# Altium PCB FMC_ADC_100M_10B_16CHA_TDC.PcbDoc (part 2 of 12)
Units mil, origin at the board's own origin, x right, y up, seen from the top; angles counter-clockwise.
Board outline 3037.39 x 2716.54 mil, 6 copper layers (TOP, G1, L2, L3, P3, BOTTOM), stack 50.475 mil thick; 720 components, 633 nets, 2798 pads, 1593 vias.
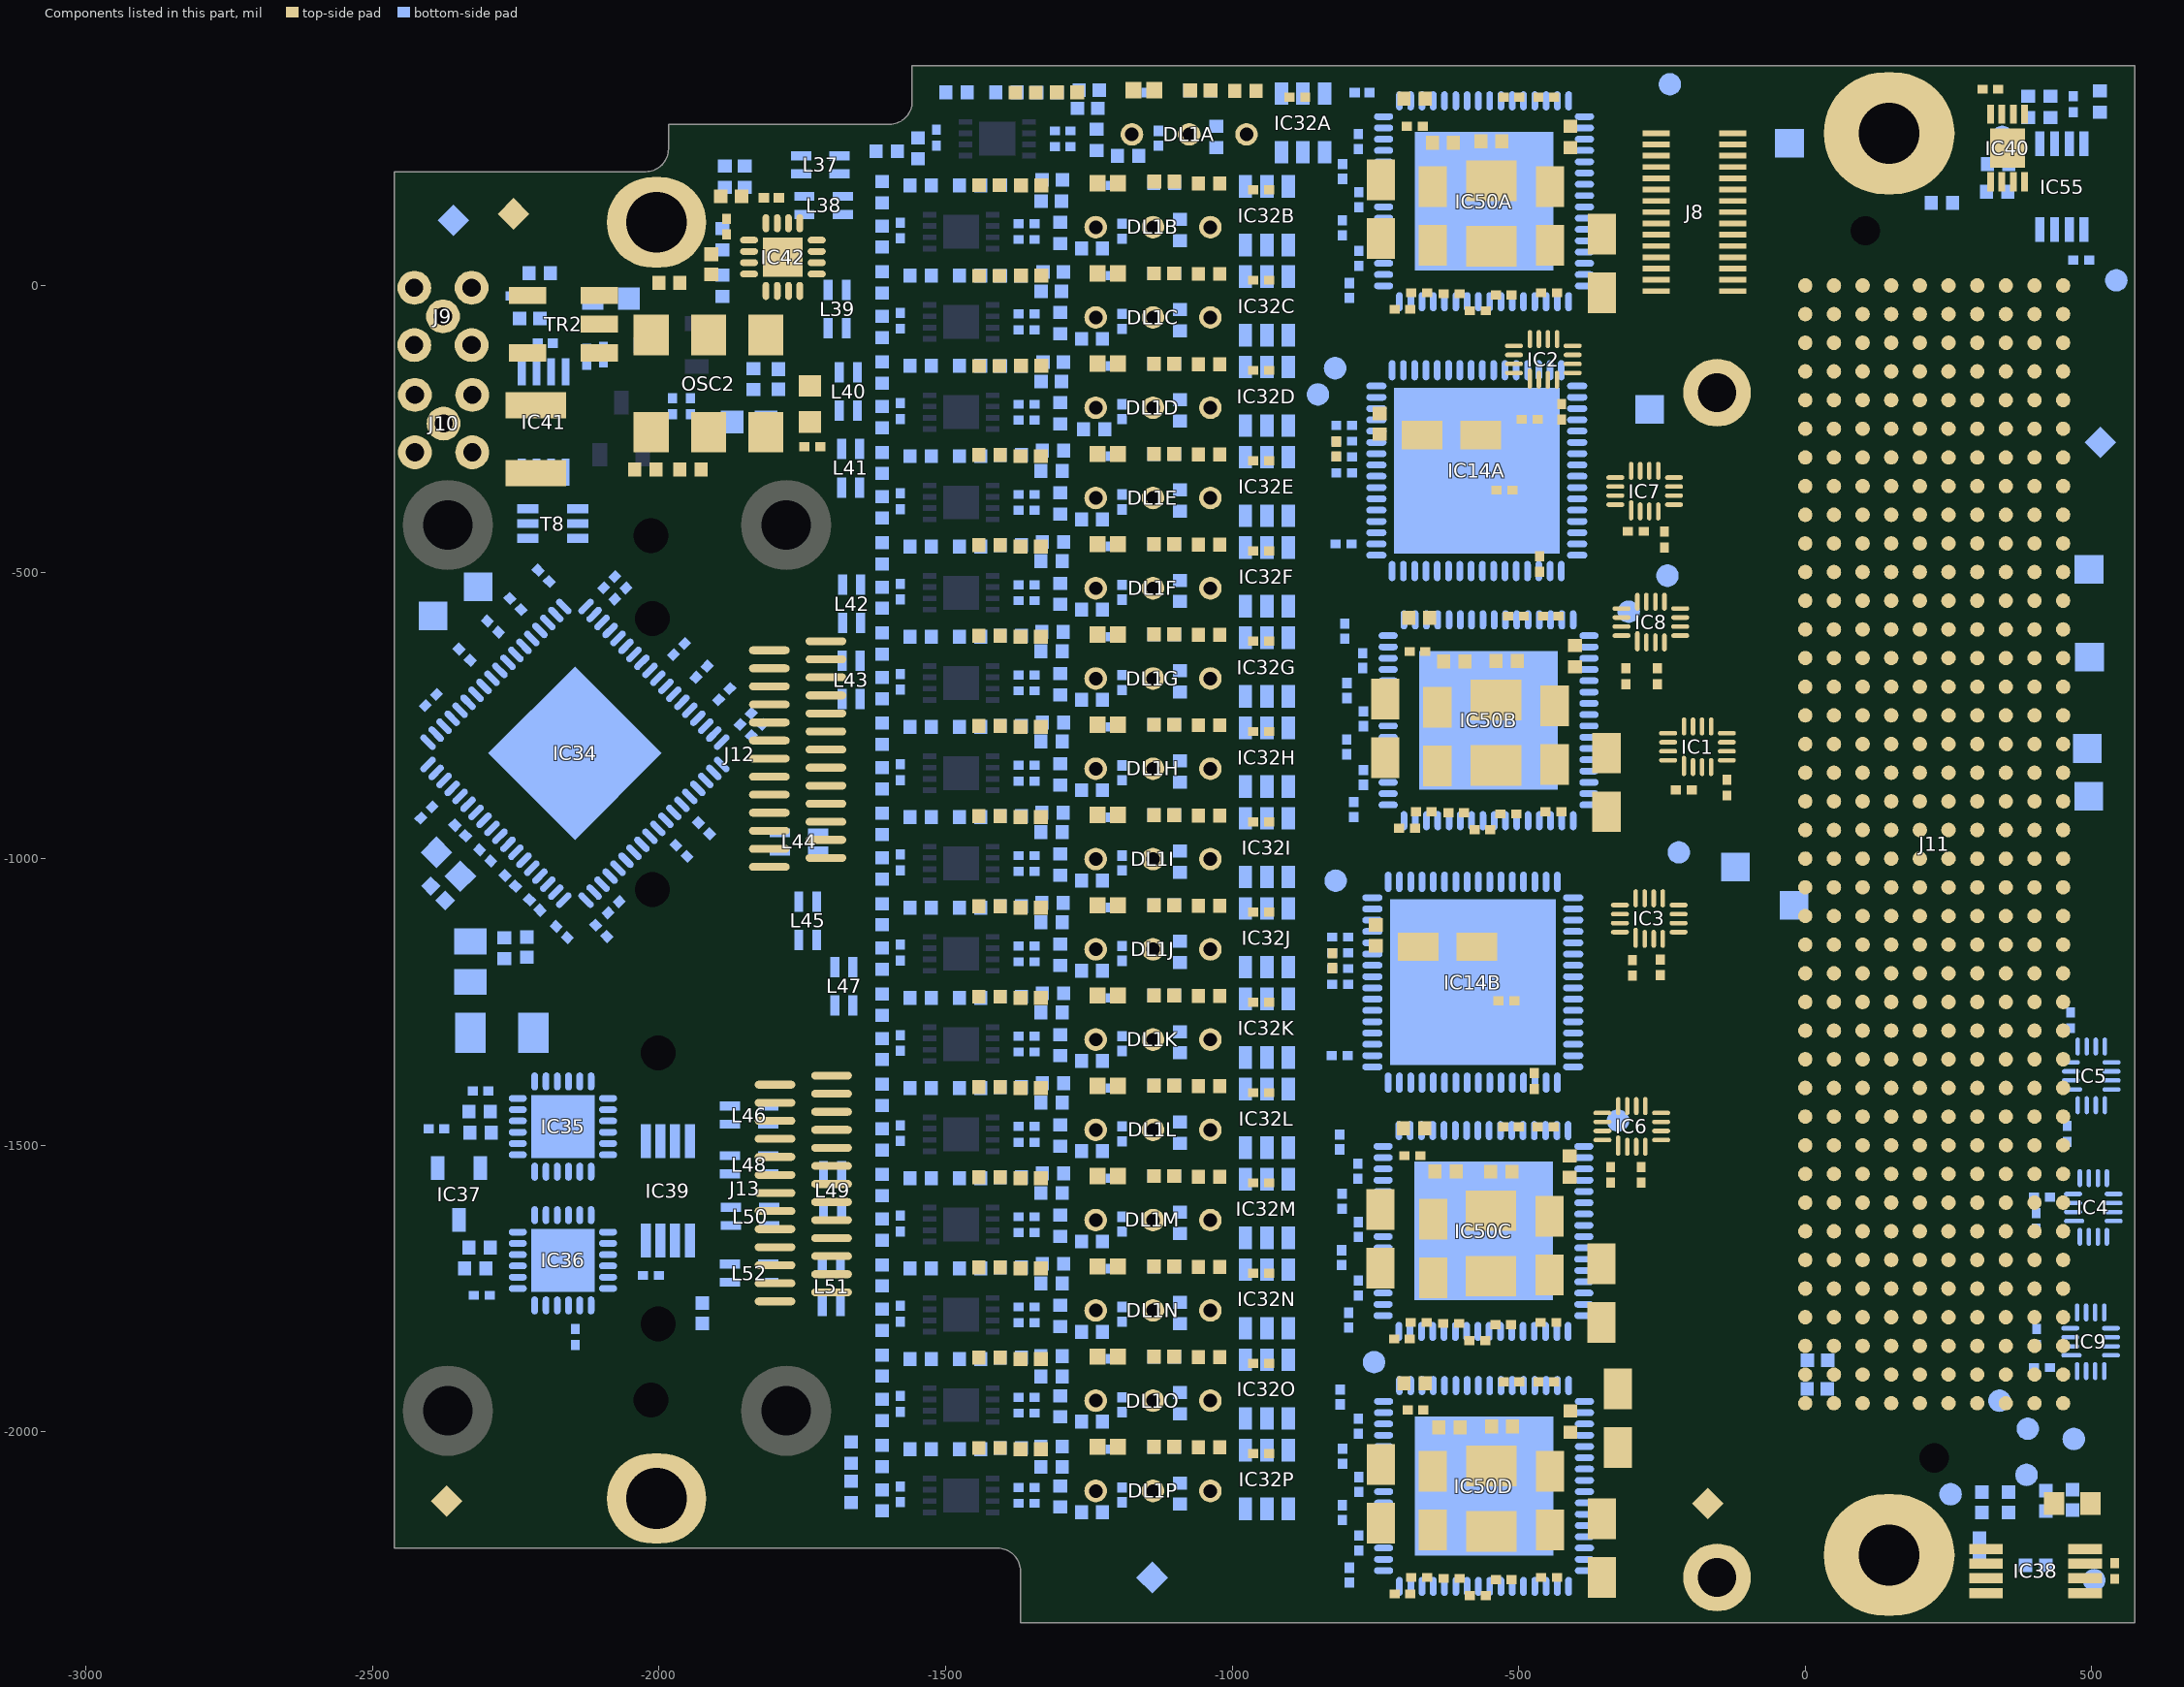
[diagram p6: the components of this part, seen from the top]

## Components (designator, comment, footprint, x,y, rotation, side; value= is the part's Value field where it differs from the comment) (continued)
IC32B "LMH7220MK/NOPB" SOT95P285X100-6N -939.49,121.7 r90 bottom (schematic designator IC32)
IC32C "LMH7220MK/NOPB" SOT95P285X100-6N -939.49,-35.78 r90 bottom (schematic designator IC32)
IC32D "LMH7220MK/NOPB" SOT95P285X100-6N -939.49,-193.26 r90 bottom (schematic designator IC32)
IC32E "LMH7220MK/NOPB" SOT95P285X100-6N -939.49,-350.74 r90 bottom (schematic designator IC32)
IC32F "LMH7220MK/NOPB" SOT95P285X100-6N -939.49,-508.22 r90 bottom (schematic designator IC32)
IC32G "LMH7220MK/NOPB" SOT95P285X100-6N -939.49,-665.7 r90 bottom (schematic designator IC32)
IC32H "LMH7220MK/NOPB" SOT95P285X100-6N -939.49,-823.18 r90 bottom (schematic designator IC32)
IC32I "LMH7220MK/NOPB" SOT95P285X100-6N -939.49,-980.66 r90 bottom (schematic designator IC32)
IC32J "LMH7220MK/NOPB" SOT95P285X100-6N -939.49,-1138.14 r90 bottom (schematic designator IC32)
IC32K "LMH7220MK/NOPB" SOT95P285X100-6N -939.49,-1295.62 r90 bottom (schematic designator IC32)
IC32L "LMH7220MK/NOPB" SOT95P285X100-6N -939.49,-1453.1 r90 bottom (schematic designator IC32)
IC32M "LMH7220MK/NOPB" SOT95P285X100-6N -939.49,-1610.58 r90 bottom (schematic designator IC32)
IC32N "LMH7220MK/NOPB" SOT95P285X100-6N -939.49,-1768.06 r90 bottom (schematic designator IC32)
IC32O "LMH7220MK/NOPB" SOT95P285X100-6N -939.49,-1925.54 r90 bottom (schematic designator IC32)
IC32P "LMH7220MK/NOPB" SOT95P285X100-6N -939.49,-2083.02 r90 bottom (schematic designator IC32)
IC34 "AD9528BCPZ" QFN50P1000X1000X100-73N-S545 -2146.81,-816.21 r45 bottom locked
IC35 "DAC7578SRGE" QFN50P400X400X100-25N-S280 -2167.79,-1467.4 r90 bottom
IC36 "DAC7578SRGE" QFN50P400X400X100-25N-S280 -2167.79,-1700.67 r90 bottom
IC37 "REF3025AIDBZT" SOT95P237X112-3N -2348.94,-1585.25 r270 bottom
IC38 "LM75AIMM/NOPB" SOP65P490X109-8N 402.04,-2242.73 r0 top
IC39 "LM75AIMM/NOPB" SOP65P490X109-8N -1984.77,-1579.34 r270 bottom
IC40 "24AA64T-I/MC" SON50P300X200X100-9N-S175X155 352.99,239.86 r90 top
IC41 "SN65LVDM176DGK" "MSOP8 TI/AD" -2201.18,-238.24 r180 bottom
IC42 "Si53340-B-GM" QFN50P300X300X90-17N-S175 -1783.96,49.53 r270 top
IC50A "TDC-GPX2" QFN50P900X900X100-65N-S615 -560.5,146.92 r180 bottom (schematic designator IC50)
IC50B "TDC-GPX2" QFN50P900X900X100-65N-S615 -552.63,-758.6 r180 bottom (schematic designator IC50)
IC50C "TDC-GPX2" QFN50P900X900X100-65N-S615 -561.42,-1649.54 r180 bottom (schematic designator IC50)
IC50D "TDC-GPX2" QFN50P900X900X100-65N-S615 -560.51,-2094.42 r180 bottom locked (schematic designator IC50)
IC55 "PCA9306DCTR" SOP65P400X130-8N 447.87,172.31 r90 bottom
J8 "SlimStack™" MOLEX_53748-0308 -193.31,127.9 r270 top locked
J9 "Coax_1Female_1Shield" "HUBER-SUHNER_85_MMCX-50-0-1/111 OH" -2377,-54 r180 top locked
J10 "Coax_1Female_1Shield" "HUBER-SUHNER_85_MMCX-50-0-1/111 OH" -2376,-241 r180 top locked
J11 "VITA 57" SAMTEC_ASP-134488-01 225,-975 r270 top locked
J12 "Mini-SAS" TYCO_1761987-7 -2011.54,-1053.75 r0 top locked
J13 "Mini-SAS" TYCO_1761987-7 -2001.7,-1811.63 r0 top locked
L7A "600R@100MHz" INDC1005X55N -742.52,-241.19 r270 top (schematic designator L7)
L7B "600R@100MHz" INDC1005X55N -749.41,-1133.75 r270 top (schematic designator L7)
L8 "120R@100MHz" INDC1608X65N -1842.91,-238.24 r0 bottom
L14 "600R@100MHz" INDC1005X55N -1874.41,155.46 r180 top
L37 "90R@100MHz" IND_MURATA_DLW21S -1718.9,210.58 r0 bottom
L38 "90R@100MHz" IND_MURATA_DLW21S -1712.99,139.71 r0 bottom
L39 "90R@100MHz" IND_MURATA_DLW21S -1689.19,-41.39 r90 bottom
L40 "90R@100MHz" IND_MURATA_DLW21S -1669.69,-185.09 r90 bottom
L41 "90R@100MHz" IND_MURATA_DLW21S -1665.75,-318.95 r90 bottom
L42 "90R@100MHz" IND_MURATA_DLW21S -1664.02,-555.51 r90 bottom
L43 "90R@100MHz" IND_MURATA_DLW21S -1664.89,-688.33 r90 bottom
L44 "90R@100MHz" IND_MURATA_DLW21S -1755.63,-970.71 r0 bottom
L45 "90R@100MHz" IND_MURATA_DLW21S -1740.55,-1108.32 r90 bottom
L46 "90R@100MHz" IND_MURATA_DLW21S -1843.03,-1447.45 r0 bottom
L47 "90R@100MHz" IND_MURATA_DLW21S -1677.56,-1222.49 r90 bottom
L48 "90R@100MHz" IND_MURATA_DLW21S -1843.03,-1534.07 r0 bottom
L49 "90R@100MHz" IND_MURATA_DLW21S -1697.25,-1578.79 r90 bottom
L50 "90R@100MHz" IND_MURATA_DLW21S -1840.95,-1624.07 r0 bottom
L51 "90R@100MHz" IND_MURATA_DLW21S -1699.33,-1746.67 r270 bottom
L52 "90R@100MHz" IND_MURATA_DLW21S -1843.03,-1723.04 r0 bottom
OSC2 "100MHz" OSCSC254P500X700X190-6N -1913.78,-171.31 r270 top
R1 "1M" RESC1005X40N#1 -2208.19,21.25 r0 bottom
R2 "0" RESC1005X40N#1 -1850.84,189.9 r270 bottom
R3 "0" RESC1005X40N#1 -1885.38,189.9 r270 bottom
R47A "100" RESC0603X28N -818.31,-285.49 r270 top (schematic designator R47)
R47B "100" RESC0603X28N -825.2,-1178.05 r270 top (schematic designator R47)
R48A "20" RESC1005X40N#2 -1249.25,340.5 r0 bottom (schematic designator R48)
R48B "20" RESC1005X40N#2 -1313.68,184.58 r0 bottom (schematic designator R48)
R48C "20" RESC1005X40N#2 -1312.36,23.81 r0 bottom (schematic designator R48)
R48D "20" RESC1005X40N#2 -1312.36,-133.97 r0 bottom (schematic designator R48)
R48E "20" RESC1005X40N#1 -1312.36,-288.28 r0 bottom (schematic designator R48)
R48F "20" RESC1005X40N#1 -1312.36,-447.45 r0 bottom (schematic designator R48)
R48G "20" RESC1005X40N#1 -1313.68,-604.6 r0 bottom (schematic designator R48)
R48H "20" RESC1005X40N#1 -1312.36,-762.41 r0 bottom (schematic designator R48)
R48I "20" RESC1005X40N#1 -1313.68,-920.11 r0 bottom (schematic designator R48)
R48J "20" RESC1005X40N#1 -1313.68,-1076.83 r0 bottom (schematic designator R48)
R48K "20" RESC1005X40N#1 -1312.36,-1234.86 r0 bottom (schematic designator R48)
R48L "20" RESC1005X40N#1 -1312.36,-1392.1 r0 bottom (schematic designator R48)
R48M "20" RESC1005X40N#1 -1312.36,-1549.09 r0 bottom (schematic designator R48)
R48N "20" RESC1005X40N#1 -1312.36,-1706.75 r0 bottom (schematic designator R48)
R48O "20" RESC1005X40N#1 -1315.36,-1868.16 r0 bottom (schematic designator R48)
R48P "20" RESC1005X40N#1 -1315.36,-2025.64 r0 bottom (schematic designator R48)
R57A "47" RESC1005X40N#2 -1252.36,309 r180 bottom (schematic designator R57)
R57B "47" RESC1005X40N#2 -1315.48,147.03 r180 bottom (schematic designator R57)
R57C "47" RESC1005X40N#2 -1315.48,-10.45 r180 bottom (schematic designator R57)
R57D "47" RESC1005X40N#2 -1315.48,-167.93 r180 bottom (schematic designator R57)
R57E "47" RESC1005X40N#1 -1315.08,-323.44 r180 bottom (schematic designator R57)
R57F "47" RESC1005X40N#1 -1315.08,-480.92 r180 bottom (schematic designator R57)
R57G "47" RESC1005X40N#1 -1315.08,-638.4 r180 bottom (schematic designator R57)
R57H "47" RESC1005X40N#1 -1315.08,-795.88 r180 bottom (schematic designator R57)
R57I "47" RESC1005X40N#1 -1315.08,-953.36 r180 bottom (schematic designator R57)
R57J "47" RESC1005X40N#1 -1315.08,-1110.84 r180 bottom (schematic designator R57)
R57K "47" RESC1005X40N#1 -1315.08,-1268.32 r180 bottom (schematic designator R57)
R57L "47" RESC1005X40N#1 -1315.08,-1425.8 r180 bottom (schematic designator R57)
R57M "47" RESC1005X40N#1 -1315.08,-1583.28 r180 bottom (schematic designator R57)
R57N "47" RESC1005X40N#1 -1315.08,-1740.76 r180 bottom (schematic designator R57)
R57O "47" RESC1005X40N#1 -1315.36,-1903.6 r180 bottom (schematic designator R57)
R57P "47" RESC1005X40N#1 -1315.36,-2061.08 r180 bottom (schematic designator R57)
R58A "100" RESC0603X28N -1161.81,336.56 r180 bottom (schematic designator R58)
R58B "100" RESC0603X28N -1224.92,174.59 r180 bottom (schematic designator R58)
R58C "100" RESC0603X28N -1224.92,17.11 r180 bottom (schematic designator R58)
R58D "100" RESC0603X28N -1224.92,-140.37 r180 bottom (schematic designator R58)
R58E "100" RESC0603X28N -1224.92,-297.85 r180 bottom (schematic designator R58)
R58F "100" RESC0603X28N -1224.92,-455.33 r180 bottom (schematic designator R58)
R58G "100" RESC0603X28N -1224.92,-612.81 r180 bottom (schematic designator R58)
R58H "100" RESC0603X28N -1224.92,-770.29 r180 bottom (schematic designator R58)
R58I "100" RESC0603X28N -1224.92,-927.77 r180 bottom (schematic designator R58)
R58J "100" RESC0603X28N -1224.92,-1085.25 r180 bottom (schematic designator R58)
R58K "100" RESC0603X28N -1224.92,-1242.73 r180 bottom (schematic designator R58)
R58L "100" RESC0603X28N -1224.92,-1400.21 r180 bottom (schematic designator R58)
R58M "100" RESC0603X28N -1224.92,-1557.69 r180 bottom (schematic designator R58)
R58N "100" RESC0603X28N -1224.92,-1715.17 r180 bottom (schematic designator R58)
R58O "100" RESC0603X28N -1224.92,-1872.65 r180 bottom (schematic designator R58)
R58P "100" RESC0603X28N -1224.92,-2030.13 r180 bottom (schematic designator R58)
R59A "47" RESC1005X40N#2 -1360.63,336.56 r0 top (schematic designator R59)
R59B "47" RESC1005X40N#2 -1423.74,174.59 r0 top (schematic designator R59)
R59C "47" RESC1005X40N#2 -1423.74,17.11 r0 top (schematic designator R59)
R59D "47" RESC1005X40N#2 -1423.74,-140.37 r0 top (schematic designator R59)
R59E "47" RESC1005X40N#1 -1423.35,-295.88 r0 top (schematic designator R59)
R59F "47" RESC1005X40N#1 -1423.35,-453.36 r0 top (schematic designator R59)
R59G "47" RESC1005X40N#1 -1423.35,-610.84 r0 top (schematic designator R59)
R59H "47" RESC1005X40N#1 -1423.35,-768.32 r0 top (schematic designator R59)
R59I "47" RESC1005X40N#1 -1423.35,-925.8 r0 top (schematic designator R59)
R59J "47" RESC1005X40N#1 -1423.35,-1083.28 r0 top (schematic designator R59)
R59K "47" RESC1005X40N#1 -1423.35,-1240.76 r0 top (schematic designator R59)
R59L "47" RESC1005X40N#1 -1423.35,-1398.24 r0 top (schematic designator R59)
R59M "47" RESC1005X40N#1 -1423.35,-1555.72 r0 top (schematic designator R59)
R59N "47" RESC1005X40N#1 -1423.35,-1713.2 r0 top (schematic designator R59)
R59O "47" RESC1005X40N#1 -1423.35,-1870.68 r0 top (schematic designator R59)
R59P "47" RESC1005X40N#1 -1423.35,-2028.16 r0 top (schematic designator R59)
R60A "20" RESC1005X40N#2 -1323.23,336.56 r0 bottom (schematic designator R60)
R60B "20" RESC1005X40N#2 -1386.34,174.59 r0 bottom (schematic designator R60)
R60C "20" RESC1005X40N#2 -1386.34,17.11 r0 bottom (schematic designator R60)
R60D "20" RESC1005X40N#2 -1386.34,-140.37 r0 bottom (schematic designator R60)
R60E "20" RESC1005X40N#1 -1385.95,-295.88 r0 bottom (schematic designator R60)
R60F "20" RESC1005X40N#1 -1385.95,-453.36 r0 bottom (schematic designator R60)
R60G "20" RESC1005X40N#1 -1385.95,-610.84 r0 bottom (schematic designator R60)
R60H "20" RESC1005X40N#1 -1385.95,-768.32 r0 bottom (schematic designator R60)
R60I "20" RESC1005X40N#1 -1385.95,-925.8 r0 bottom (schematic designator R60)
R60J "20" RESC1005X40N#1 -1385.95,-1083.28 r0 bottom (schematic designator R60)
R60K "20" RESC1005X40N#1 -1385.95,-1240.76 r0 bottom (schematic designator R60)
R60L "20" RESC1005X40N#1 -1385.95,-1398.24 r0 bottom (schematic designator R60)
R60M "20" RESC1005X40N#1 -1385.95,-1555.72 r0 bottom (schematic designator R60)
R60N "20" RESC1005X40N#1 -1385.95,-1713.2 r0 bottom (schematic designator R60)
R60O "20" RESC1005X40N#1 -1385.95,-1870.68 r0 bottom (schematic designator R60)
R60P "20" RESC1005X40N#1 -1385.95,-2028.16 r0 bottom (schematic designator R60)
R61A "270" RESC1005X40N#1 -1236.62,253.88 r270 bottom (schematic designator R61)
R61B "270" RESC1005X40N#1 -1299.73,91.92 r270 bottom (schematic designator R61)
R61C "270" RESC1005X40N#1 -1299.73,-65.56 r270 bottom (schematic designator R61)
R61D "270" RESC1005X40N#1 -1299.73,-223.04 r270 bottom (schematic designator R61)
R61E "270" RESC1005X40N#1 -1299.73,-380.52 r270 bottom (schematic designator R61)
R61F "270" RESC1005X40N#1 -1299.73,-538 r270 bottom (schematic designator R61)
R61G "270" RESC1005X40N#1 -1299.73,-695.49 r270 bottom (schematic designator R61)
R61H "270" RESC1005X40N#1 -1299.73,-852.97 r270 bottom (schematic designator R61)
R61I "270" RESC1005X40N#1 -1299.73,-1010.45 r270 bottom (schematic designator R61)
R61J "270" RESC1005X40N#1 -1299.73,-1167.93 r270 bottom (schematic designator R61)
R61K "270" RESC1005X40N#1 -1299.73,-1325.41 r270 bottom (schematic designator R61)
R61L "270" RESC1005X40N#1 -1299.73,-1482.89 r270 bottom (schematic designator R61)
R61M "270" RESC1005X40N#1 -1299.73,-1640.37 r270 bottom (schematic designator R61)
R61N "270" RESC1005X40N#1 -1299.73,-1797.85 r270 bottom (schematic designator R61)
R61O "270" RESC1005X40N#1 -1299.73,-1955.33 r270 bottom (schematic designator R61)
R61P "270" RESC1005X40N#1 -1299.73,-2112.81 r270 bottom (schematic designator R61)
R62A "4R7" RESC1005X40N#1 -1181.5,226.33 r0 bottom (schematic designator R62)
R62B "4R7" RESC1005X40N#1 -1244.61,64.36 r0 bottom (schematic designator R62)
R62C "4R7" RESC1005X40N#1 -1244.61,-93.12 r0 bottom (schematic designator R62)
R62D "4R7" RESC1005X40N#1 -1240.55,-250.6 r0 bottom (schematic designator R62)
R62E "4R7" RESC1005X40N#1 -1244.61,-408.08 r0 bottom (schematic designator R62)
R62F "4R7" RESC1005X40N#1 -1244.61,-565.56 r0 bottom (schematic designator R62)
R62G "4R7" RESC1005X40N#1 -1244.61,-723.04 r0 bottom (schematic designator R62)
R62H "4R7" RESC1005X40N#1 -1244.61,-880.52 r0 bottom (schematic designator R62)
R62I "4R7" RESC1005X40N#1 -1244.61,-1038 r0 bottom (schematic designator R62)
R62J "4R7" RESC1005X40N#1 -1244.61,-1195.49 r0 bottom (schematic designator R62)
R62K "4R7" RESC1005X40N#1 -1244.61,-1352.97 r0 bottom (schematic designator R62)
R62L "4R7" RESC1005X40N#1 -1244.61,-1510.45 r0 bottom (schematic designator R62)
R62M "4R7" RESC1005X40N#1 -1244.61,-1667.93 r0 bottom (schematic designator R62)
R62N "4R7" RESC1005X40N#1 -1244.61,-1825.41 r0 bottom (schematic designator R62)
R62O "4R7" RESC1005X40N#1 -1244.49,-1982.34 r0 bottom (schematic designator R62)
R62P "4R7" RESC1005X40N#1 -1244.61,-2140.37 r0 bottom (schematic designator R62)
R63A "120" RESC1005X40N#1 -1394.1,336.56 r0 bottom (schematic designator R63)
R63B "120" RESC1005X40N#1 -1457.21,174.59 r0 bottom (schematic designator R63)
R63C "120" RESC1005X40N#1 -1457.21,17.11 r0 bottom (schematic designator R63)
R63D "120" RESC1005X40N#1 -1457.21,-140.37 r0 bottom (schematic designator R63)
R63E "120" RESC1005X40N#1 -1457.21,-297.85 r0 bottom (schematic designator R63)
R63F "120" RESC1005X40N#1 -1457.21,-455.33 r0 bottom (schematic designator R63)
R63G "120" RESC1005X40N#1 -1457.21,-612.81 r0 bottom (schematic designator R63)
R63H "120" RESC1005X40N#1 -1457.21,-770.29 r0 bottom (schematic designator R63)
R63I "120" RESC1005X40N#1 -1457.21,-927.77 r0 bottom (schematic designator R63)
R63J "120" RESC1005X40N#1 -1457.21,-1085.25 r0 bottom (schematic designator R63)
R63K "120" RESC1005X40N#1 -1457.21,-1242.73 r0 bottom (schematic designator R63)
R63L "120" RESC1005X40N#1 -1457.21,-1400.21 r0 bottom (schematic designator R63)
R63M "120" RESC1005X40N#1 -1457.21,-1557.69 r0 bottom (schematic designator R63)
R63N "120" RESC1005X40N#1 -1457.21,-1715.17 r0 bottom (schematic designator R63)
R63O "120" RESC1005X40N#1 -1457.21,-1872.65 r0 bottom (schematic designator R63)
R63P "120" RESC1005X40N#1 -1457.21,-2030.13 r0 bottom (schematic designator R63)
R64A "120" RESC1005X40N#1 -1602.76,234.2 r0 bottom (schematic designator R64)
R64B "120" RESC1005X40N#1 -1610.75,162.78 r270 bottom (schematic designator R64)
R64C "120" RESC1005X40N#1 -1610.75,5.3 r270 bottom (schematic designator R64)
R64D "120" RESC1005X40N#1 -1610.75,-152.18 r270 bottom (schematic designator R64)
R64E "120" RESC1005X40N#1 -1610.75,-309.66 r270 bottom (schematic designator R64)
R64F "120" RESC1005X40N#1 -1610.75,-467.14 r270 bottom (schematic designator R64)
R64G "120" RESC1005X40N#1 -1610.75,-624.62 r270 bottom (schematic designator R64)
R64H "120" RESC1005X40N#1 -1610.75,-782.1 r270 bottom (schematic designator R64)
R64I "120" RESC1005X40N#1 -1610.75,-939.58 r270 bottom (schematic designator R64)
R64J "120" RESC1005X40N#1 -1610.75,-1097.06 r270 bottom (schematic designator R64)
R64K "120" RESC1005X40N#1 -1610.75,-1254.54 r270 bottom (schematic designator R64)
R64L "120" RESC1005X40N#1 -1610.75,-1412.02 r270 bottom (schematic designator R64)
R64M "120" RESC1005X40N#1 -1610.75,-1569.5 r270 bottom (schematic designator R64)
R64N "120" RESC1005X40N#1 -1610.75,-1726.98 r270 bottom (schematic designator R64)
R64O "120" RESC1005X40N#1 -1610.75,-1884.46 r270 bottom (schematic designator R64)
R64P "120" RESC1005X40N#1 -1610.75,-2041.94 r270 bottom (schematic designator R64)
R65A "160" RESC1005X40N#1 -1480.71,336.56 r180 bottom (schematic designator R65)
R65B "160" RESC1005X40N#1 -1543.82,174.59 r180 bottom (schematic designator R65)
R65C "160" RESC1005X40N#1 -1543.82,17.11 r180 bottom (schematic designator R65)
R65D "160" RESC1005X40N#1 -1543.82,-140.37 r180 bottom (schematic designator R65)
R65E "160" RESC1005X40N#1 -1543.82,-297.85 r180 bottom (schematic designator R65)
R65F "160" RESC1005X40N#1 -1543.82,-455.33 r180 bottom (schematic designator R65)
R65G "160" RESC1005X40N#1 -1543.82,-612.81 r180 bottom (schematic designator R65)
R65H "160" RESC1005X40N#1 -1543.82,-770.29 r180 bottom (schematic designator R65)
R65I "160" RESC1005X40N#1 -1543.82,-927.77 r180 bottom (schematic designator R65)
R65J "160" RESC1005X40N#1 -1543.82,-1085.25 r180 bottom (schematic designator R65)
R65K "160" RESC1005X40N#1 -1543.82,-1242.73 r180 bottom (schematic designator R65)
R65L "160" RESC1005X40N#1 -1543.82,-1400.21 r180 bottom (schematic designator R65)
R65M "160" RESC1005X40N#1 -1543.82,-1557.69 r180 bottom (schematic designator R65)
R65N "160" RESC1005X40N#1 -1543.82,-1715.17 r180 bottom (schematic designator R65)
R65O "160" RESC1005X40N#1 -1543.82,-1872.65 r180 bottom (schematic designator R65)
R65P "160" RESC1005X40N#1 -1543.82,-2030.13 r180 bottom (schematic designator R65)
R66A "100" RESC0603X28N -1128.93,256.64 r270 bottom (schematic designator R66)
R66B "100" RESC0603X28N -1192.04,94.67 r270 bottom (schematic designator R66)
R66C "100" RESC0603X28N -1192.04,-62.81 r270 bottom (schematic designator R66)
R66D "100" RESC0603X28N -1192.04,-220.29 r270 bottom (schematic designator R66)
R66E "100" RESC0603X28N -1192.04,-377.77 r270 bottom (schematic designator R66)
R66F "100" RESC0603X28N -1192.04,-535.25 r270 bottom (schematic designator R66)
R66G "100" RESC0603X28N -1192.04,-692.73 r270 bottom (schematic designator R66)
R66H "100" RESC0603X28N -1192.04,-850.21 r270 bottom (schematic designator R66)
R66I "100" RESC0603X28N -1192.04,-1007.69 r270 bottom (schematic designator R66)
R66J "100" RESC0603X28N -1192.04,-1165.17 r270 bottom (schematic designator R66)
R66K "100" RESC0603X28N -1192.04,-1322.65 r270 bottom (schematic designator R66)
R66L "100" RESC0603X28N -1192.04,-1480.13 r270 bottom (schematic designator R66)
R66M "100" RESC0603X28N -1192.04,-1637.61 r270 bottom (schematic designator R66)
R66N "100" RESC0603X28N -1192.04,-1795.09 r270 bottom (schematic designator R66)
R66O "100" RESC0603X28N -1192.04,-1952.57 r270 bottom (schematic designator R66)
R66P "100" RESC0603X28N -1192.04,-2110.05 r270 bottom (schematic designator R66)
R67A "51" RESC1005X40N#1 -976.93,339.64 r0 top (schematic designator R67)
R67B "51" RESC1005X40N#1 -1040.04,177.67 r0 top (schematic designator R67)
R67C "51" RESC1005X40N#1 -1040.04,20.19 r0 top (schematic designator R67)
R67D "51" RESC1005X40N#1 -1040.04,-137.29 r0 top (schematic designator R67)
R67E "51" RESC1005X40N#1 -1040.04,-294.77 r0 top (schematic designator R67)
R67F "51" RESC1005X40N#1 -1040.04,-452.25 r0 top (schematic designator R67)
R67G "51" RESC1005X40N#1 -1040.04,-609.73 r0 top (schematic designator R67)
R67H "51" RESC1005X40N#1 -1040.04,-767.21 r0 top (schematic designator R67)
R67I "51" RESC1005X40N#1 -1040.04,-924.69 r0 top (schematic designator R67)
R67J "51" RESC1005X40N#1 -1040.04,-1082.17 r0 top (schematic designator R67)
R67K "51" RESC1005X40N#1 -1040.04,-1239.65 r0 top (schematic designator R67)
R67L "51" RESC1005X40N#1 -1040.04,-1397.13 r0 top (schematic designator R67)
R67M "51" RESC1005X40N#1 -1040.04,-1554.61 r0 top (schematic designator R67)
R67N "51" RESC1005X40N#1 -1040.04,-1712.09 r0 top (schematic designator R67)
R67O "51" RESC1005X40N#1 -1040.04,-1869.57 r0 top (schematic designator R67)
R67P "51" RESC1005X40N#1 -1040.04,-2027.05 r0 top (schematic designator R67)
R68A "120" RESC1005X40N#1 -1055.51,340.5 r180 bottom (schematic designator R68)
R68B "120" RESC1005X40N#1 -1118.63,178.53 r180 bottom (schematic designator R68)
R68C "120" RESC1005X40N#1 -1118.63,21.05 r180 bottom (schematic designator R68)
R68D "120" RESC1005X40N#1 -1118.63,-136.43 r180 bottom (schematic designator R68)
R68E "120" RESC1005X40N#1 -1118.63,-293.91 r180 bottom (schematic designator R68)
R68F "120" RESC1005X40N#1 -1118.63,-451.39 r180 bottom (schematic designator R68)
R68G "120" RESC1005X40N#1 -1118.63,-608.87 r180 bottom (schematic designator R68)
R68H "120" RESC1005X40N#1 -1118.63,-766.35 r180 bottom (schematic designator R68)
R68I "120" RESC1005X40N#1 -1118.63,-923.83 r180 bottom (schematic designator R68)
R68J "120" RESC1005X40N#1 -1118.63,-1081.31 r180 bottom (schematic designator R68)
R68K "120" RESC1005X40N#1 -1118.63,-1238.79 r180 bottom (schematic designator R68)
R68L "120" RESC1005X40N#1 -1118.63,-1396.27 r180 bottom (schematic designator R68)
R68M "120" RESC1005X40N#1 -1118.63,-1553.75 r180 bottom (schematic designator R68)
R68N "120" RESC1005X40N#1 -1118.63,-1711.23 r180 bottom (schematic designator R68)
R68O "120" RESC1005X40N#1 -1118.63,-1868.71 r180 bottom (schematic designator R68)
R68P "120" RESC1005X40N#1 -1118.63,-2026.19 r180 bottom (schematic designator R68)
R69A "270" RESC1005X40N#1 -1548.17,239.29 r90 bottom (schematic designator R69)
R69B "270" RESC1005X40N#1 -1610.75,85.22 r90 bottom (schematic designator R69)
R69C "270" RESC1005X40N#1 -1610.75,-72.26 r90 bottom (schematic designator R69)
R69D "270" RESC1005X40N#1 -1610.75,-229.74 r90 bottom (schematic designator R69)
R69E "270" RESC1005X40N#1 -1610.75,-387.22 r90 bottom (schematic designator R69)
R69F "270" RESC1005X40N#1 -1610.75,-544.7 r90 bottom (schematic designator R69)
R69G "270" RESC1005X40N#1 -1610.75,-702.18 r90 bottom (schematic designator R69)
R69H "270" RESC1005X40N#1 -1610.75,-859.66 r90 bottom (schematic designator R69)
R69I "270" RESC1005X40N#1 -1610.75,-1017.14 r90 bottom (schematic designator R69)
R69J "270" RESC1005X40N#1 -1610.75,-1174.62 r90 bottom (schematic designator R69)
R69K "270" RESC1005X40N#1 -1610.75,-1332.1 r90 bottom (schematic designator R69)
R69L "270" RESC1005X40N#1 -1610.75,-1489.58 r90 bottom (schematic designator R69)
R69M "270" RESC1005X40N#1 -1610.75,-1647.06 r90 bottom (schematic designator R69)
R69N "270" RESC1005X40N#1 -1610.75,-1804.54 r90 bottom (schematic designator R69)
R69O "270" RESC1005X40N#1 -1610.75,-1962.02 r90 bottom (schematic designator R69)
R69P "270" RESC1005X40N#1 -1610.75,-2119.5 r90 bottom (schematic designator R69)
R70A "4R7" RESC1005X40N#1 -1027.95,259 r90 bottom (schematic designator R70)
R70B "4R7" RESC1005X40N#1 -1091.07,97.03 r90 bottom (schematic designator R70)
R70C "4R7" RESC1005X40N#1 -1091.07,-60.45 r90 bottom (schematic designator R70)
R70D "4R7" RESC1005X40N#1 -1091.07,-217.93 r90 bottom (schematic designator R70)
R70E "4R7" RESC1005X40N#1 -1091.07,-375.41 r90 bottom (schematic designator R70)
R70F "4R7" RESC1005X40N#1 -1091.07,-532.89 r90 bottom (schematic designator R70)
R70G "4R7" RESC1005X40N#1 -1091.07,-690.37 r90 bottom (schematic designator R70)
R70H "4R7" RESC1005X40N#1 -1091.07,-847.85 r90 bottom (schematic designator R70)
R70I "4R7" RESC1005X40N#1 -1091.07,-1005.33 r90 bottom (schematic designator R70)
R70J "4R7" RESC1005X40N#1 -1091.07,-1162.81 r90 bottom (schematic designator R70)
R70K "4R7" RESC1005X40N#1 -1091.07,-1320.29 r90 bottom (schematic designator R70)
R70L "4R7" RESC1005X40N#1 -1091.07,-1477.77 r90 bottom (schematic designator R70)
R70M "4R7" RESC1005X40N#1 -1091.07,-1635.25 r90 bottom (schematic designator R70)
R70N "4R7" RESC1005X40N#1 -1091.07,-1792.73 r90 bottom (schematic designator R70)
R70O "4R7" RESC1005X40N#1 -1091.07,-1950.21 r90 bottom (schematic designator R70)
R70P "4R7" RESC1005X40N#1 -1091.07,-2107.69 r90 bottom (schematic designator R70)
R71 "240" RESC1005X40N#1 -1945.28,-320.92 r0 top
R72 "1k" RESC1005X40N#1 -1835.04,-163.44 r90 bottom
R73 "100" RESC0603X28N -2346.85,-950.84 r135 bottom
R74 "240" RESC1005X40N#1 -2024.02,-320.92 r180 top
R75 "0" RESC1005X40N#2 -2225.91,-57.69 r180 bottom
R76 "100" RESC0603X28N -2216.93,-1080.76 r135 bottom
R77 "100" RESC0603X28N -2259.7,-1038.66 r135 bottom
R78 "10k" RESC1005X40N#2 -2230.83,-1154.15 r90 bottom
R79 "240" RESC1005X40N#1 -1982.03,4.39 r180 top
R80 "82k" RESC1005X40N#1 -2270.2,-1156.12 r90 bottom
R81 "0" RESC1005X40N#1 -2313.29,-1441.22 r0 bottom
R84 "0" RESC1005X40N#1 -2311.54,-1477.85 r0 bottom
R85 "0" RESC1005X40N#1 -2313.29,-1678.09 r0 bottom
R86 "0" RESC1005X40N#1 -2320.66,-1715.17 r0 bottom
R105 "10k" RESC1005X40N#2 402.04,-2232.89 r0 bottom
R111 "10k" RESC1005X40N#2 -1924.52,-1793.29 r90 bottom
R112 "10k" RESC1005X40N#2 303.62,-2203.36 r90 bottom
R113 "0" RESC1005X40N#2 419.76,-2120.68 r90 bottom
R114 "0" RESC1005X40N#2 354.93,-2122.65 r90 bottom
R115 "10k" RESC1005X40N#2 466.02,-2118.71 r270 bottom
R116 "10k" RESC1005X40N#2 308.54,-2122.65 r270 bottom
R117 "4R7" RESC1005X40N#1 -1664.89,-2104.93 r90 bottom
R118 "Undefined" RESC1005X40N#1 -1664.89,-2036.04 r270 bottom
R119 "4k7" RESC1608X55N 465.75,-2125 r180 top
R120 "0" RESC1005X40N#2 21,-1925 r0 bottom
R121 "0" RESC1005X40N#2 21.79,-1875 r0 bottom
R122 "100" RESC0603X28N -2198.53,-100.81 r180 bottom
R123 "49R9" RESC3225X70N -2215.06,-268.14 r90 top
R124 "100" RESC0603X28N -1804,153 r180 top
R138 "10k" RESC1005X40N#1 238.25,143.97 r180 bottom
R139A "100" RESC0603X28N -807.89,100.54 r90 bottom (schematic designator R139)
R139B "100" RESC0603X28N -800.01,-804.97 r90 bottom (schematic designator R139)
R139C "100" RESC0603X28N -808.8,-1695.92 r90 bottom (schematic designator R139)
R139D "100" RESC0603X28N -807.89,-2140.8 r90 bottom (schematic designator R139)
R140A "100" RESC0603X28N -773.23,336.56 r0 bottom (schematic designator R140)
R140B "100" RESC0603X28N -803.54,-603.2 r90 bottom (schematic designator R140)
R140C "100" RESC0603X28N -812.33,-1494.15 r90 bottom (schematic designator R140)
R140D "100" RESC0603X28N -811.42,-1939.03 r90 bottom (schematic designator R140)
R141A "100" RESC0603X28N -779.92,251.13 r90 bottom (schematic designator R141)
R141B "100" RESC0603X28N -772.05,-654.38 r90 bottom (schematic designator R141)
R141C "100" RESC0603X28N -780.84,-1545.33 r90 bottom (schematic designator R141)
R141D "100" RESC0603X28N -779.92,-1990.21 r90 bottom (schematic designator R141)
R142A "100" RESC0603X28N -779.01,47.31 r90 bottom (schematic designator R142)
R142B "100" RESC0603X28N -771.13,-858.2 r90 bottom (schematic designator R142)
R142C "100" RESC0603X28N -779.92,-1749.15 r90 bottom (schematic designator R142)
R142D "100" RESC0603X28N -779.01,-2194.03 r90 bottom (schematic designator R142)
R143A "100" RESC0603X28N -795.67,-8.71 r90 bottom (schematic designator R143)
R143B "100" RESC0603X28N -787.79,-914.23 r90 bottom (schematic designator R143)
R143C "100" RESC0603X28N -796.58,-1805.17 r90 bottom (schematic designator R143)
R143D "100" RESC0603X28N -795.67,-2250.05 r90 bottom (schematic designator R143)
R144A "100" RESC0603X28N -807.48,198.77 r90 bottom (schematic designator R144)
R144B "100" RESC0603X28N -799.6,-706.75 r90 bottom (schematic designator R144)
R144C "100" RESC0603X28N -808.39,-1597.69 r90 bottom (schematic designator R144)
R144D "100" RESC0603X28N -807.48,-2042.57 r90 bottom (schematic designator R144)
R145A "100" RESC0603X28N -778.89,149.54 r90 bottom (schematic designator R145)
R145B "100" RESC0603X28N -771.01,-755.97 r90 bottom (schematic designator R145)
R145C "100" RESC0603X28N -779.8,-1646.92 r90 bottom (schematic designator R145)
R145D "100" RESC0603X28N -778.89,-2091.8 r90 bottom (schematic designator R145)
R146A "10" RESC1005X40N#1 -681.49,325.93 r180 top (schematic designator R146)
R146B "10" RESC1005X40N#1 -673.62,-579.58 r180 top (schematic designator R146)
R146C "10" RESC1005X40N#1 -682.41,-1470.53 r180 top (schematic designator R146)
R146D "10" RESC1005X40N#1 -681.5,-1915.41 r180 top (schematic designator R146)
R147A "10" RESC1005X40N#1 -409.84,259 r270 top (schematic designator R147)
R147B "10" RESC1005X40N#1 -401.97,-646.51 r270 top (schematic designator R147)
R147C "10" RESC1005X40N#1 -410.76,-1537.45 r270 top (schematic designator R147)
R147D "10" RESC1005X40N#1 -409.84,-1982.34 r270 top (schematic designator R147)
R148A "10" RESC1005X40N#1 -632.29,248.92 r180 top (schematic designator R148)
R148B "10" RESC1005X40N#1 -612.62,-655.96 r180 top (schematic designator R148)
R148C "10" RESC1005X40N#1 -627.29,-1545.33 r180 top (schematic designator R148)
R148D "10" RESC1005X40N#1 -620.6,-1992.24 r180 top (schematic designator R148)
R149A "10" RESC1005X40N#1 -547.64,251.13 r0 top (schematic designator R149)
R149B "10" RESC1005X40N#1 -521.26,-655.17 r0 top (schematic designator R149)
R149C "10" RESC1005X40N#1 -530.05,-1546.12 r0 top (schematic designator R149)
R149D "10" RESC1005X40N#1 -529.14,-1990.21 r0 top (schematic designator R149)
R150 "1k" RESC1005X40N#1 -1889.42,80.88 r90 bottom
R151 "1k" RESC1005X40N#1 -1889.42,-0.35 r90 bottom
R158 "2k2" RESC1005X40N#1 336.43,211.46 r180 bottom
R159 "2k2" RESC1005X40N#1 334.74,163.53 r180 bottom
R160 "100k" RESC1005X40N#1 514,320.81 r90 bottom
R161 "2k2" RESC1005X40N#1 428.19,311.29 r90 bottom
R162 "2k2" RESC1005X40N#1 388.82,311.29 r90 bottom
SCREW1 "M1.6x8" BOSSARD_BN650-1243721_v -153.94,-2253.99 r90 bottom
SCREW2 "M1.6x8" BOSSARD_BN650-1243721_v -153.94,-187.06 r90 bottom
T8 "PMGD280UN" SOT65P210X110-6N -2185.43,-415.41 r0 bottom
TP23 "Test Point" TPS127 -2394.1,-576.82 r90 bottom
TP24 "Test Point" TPS127 -2315.36,-525.64 r90 bottom
TP35 "Test Point" TPS127 494.5,-891.03 r90 bottom
TP36 "Test Point" TPS127 491.79,-807.81 r90 bottom
TP37 "Test Point" TPS127 -19.68,-1081.62 r90 bottom
TP38 "Test Point" TPS127 -121.66,-1014.65 r90 bottom
TP39 "Test Point" TPS127 495.93,-648.56 r90 bottom
TP40 "Test Point" TPS127 495.12,-495.11 r90 bottom
TP43 "Test Point" TPS127 -27.59,248.27 r180 bottom
TP44 "Test Point" TPS127 -271.3,-215.89 r180 bottom
TR2 "1:1" XFMR_MINI-CIRCUITS_AT224-1 -2166.85,-67.53 r270 top

## Footprints (in the part's own frame and the unit in brackets; to place one, negate y for a bottom-side part, rotate by r counter-clockwise, add the part's x,y. Pads: shape width x height; smd on the part's side, far side on the other; paste and mask are expansions set on the pad)
BOSSARD_BN650-1243721_v [mil] "M1.6 L=8mm Slotted Cheese Head Machine Screw, DIN 84 A, Stainless Steel A2"
  silkscreen extent -75,-75 75,75, body extent -59,-59 59,59, height 39
C100 [mm] "1mm Diameter SMD Pad"
  round 1 smd paste-1: 1(0,0)
c300h160 [mm] "Plated Through Hole: Hole Dia.=1.6mm Pad Dia.=3mm"
  round 3 / inner round 2 / far side round 3 hole 1.7: 1(0,0)
  silkscreen extent -1.8,-1.8 1.8,1.8
CAPC0603X33N [mm] "Chip Capacitor, Body 0.6x0.30mm, IPC Medium Density"
  rect 0.45x0.4 smd: 1(-0.35,0) 2(0.35,0)
  body extent -0.31,-0.16 0.32,0.17, height 0.33
CAPC1005X55N [mm] "Chip Capacitor, Body 1.0x0.55mm, IPC Medium Density"
  rect 0.62x0.62 smd: 1(-0.45,0) 2(0.45,0)
  body extent -0.52,-0.27 0.53,0.28, height 0.55
CAPC1005X70N [mm] "Capacitor, Non-Polarized, Chip; 1.00mm L X 0.50mm W X 0.70mm H, IPC Medium Density"
  rect 0.71x0.72 smd: 1(-0.46,0) 2(0.46,0)
  body extent -0.6,-0.35 0.6,0.35, height 0.7
CAPC1608X80N [mm] "Chip Capacitor, Body 1.6x0.8mm IPC Medium Density"
  rect 1x1 smd: 1(-0.75,0) 2(0.75,0)
  body extent -0.87,-0.47 0.88,0.48, height 0.8
CAPC1608X87N [mm] "Chip Capacitor, Body 1.6x0.8mm IPC Medium Density"
  rect 0.95x1 smd: 1(-0.8,0) 2(0.8,0)
  body extent -0.87,-0.47 0.88,0.48, height 0.87
CAPC2012X88N [mm] "Chip Capacitor, Body 2.0x1.25mm, IPC Medium Density"
  rect 1.15x1.45 smd: 1(-0.9,0) 2(0.9,0)
  silkscreen extent 0,-0.58 0,0.58, body extent -1.05,-0.67 1.05,0.68, height 0.9
CAPC3216X130N [mm] "Chip Capacitor, Body 3.2x1.6mm, IPC Medium Density"
  rect 1.35x1.8 smd: 1(-1.4,0) 2(1.4,0)
  silkscreen extent -0.35,-0.8 0.35,0.8, body extent -1.7,-0.9 1.7,0.9, height 1.3
CAPMP3216X180N [mm] "Capacitor, Polarized, Molded  Body 3.2x1.6mm, IPC Medium Density"
  rect 1.8x1.25 smd: 1(-1.3,0) 2(1.3,0)
  silkscreen extent -2.4,-0.7 0,1.25, body extent -1.7,-0.9 1.7,0.9, height 1.6
CAPMP3528X210N [mm] "Capacitor, Polarized, Molded  Body 3.5x2.8mm, IPC Medium Density"
  rect 1.8x2.25 smd: 1(-1.45,0) 2(1.45,0)
  silkscreen extent -2.52,-1.5 1.85,1.72, body extent -1.85,-1.5 1.85,1.5, height 2.1
DS1L [mm] "Fixed SIP Delay Line DS1L Series"
  round 1 hole 0.6: 1(-2.54,0) 2(0,0) 3(2.54,0)
  silkscreen extent -6.35,-2.05 6.2,1.27, body extent -6.2,-1.27 6.35,1.27, height 9.2
FIDUCIAL_TOP_S100-200 [mm] "Square Fiducial Target, Top Layer, 1.0mm, Top Solder 2.0mm, Keepout =2.0mm"
  rect 1x1 smd rot 45 paste-0.51 mask+0.5: 1(0,0)
  TOP pour cut-out: 1.414,0 0,-1.414 -1.414,0 0,1.414
"HUBER-SUHNER_85_MMCX-50-0-1/111 OH" [mm] "MMCX 50 Ohm Right Angle PCB Jack"
  round 1.5 hole 0.8: 1(0,0) 2(-1.27,1.27) 2(-1.27,-1.27) 2(1.27,1.27) 2(1.27,-1.27)
  silkscreen extent -1.73,-1.74 4.82,1.74, body extent -1.73,-1.74 4.82,1.74, height 3.8
IND_MURATA_DLW21S [mm] "Common Mode Choke Coil, DLW21S Series - Body 2 x 1.2mm"
  rect 0.9x0.4 smd: 1(-0.85,-0.4) 2(0.85,-0.4) 3(0.85,0.4) 4(-0.85,0.4)
  silkscreen extent -1.92,-0.6 0,0.6, body extent -1,-0.6 1,0.6, height 1.4
INDC1005X55N [mm] "Chip Inductor, 2-Leads, EIA 0402, Metric 1005, Body 1x0.5mm, 0402IPC Medium Density"
  rect 0.6x0.62 smd: 1(-0.46,0) 2(0.46,0)
  body extent -0.52,-0.27 0.53,0.28, height 0.55
INDC1608X65N [mm] "Chip Inductor, 2-Leads, EIA 0603, Metric 1608, Body 1.6x0.8mm, IPC Medium Density"
  rect 1x1 smd: 1(-0.75,0) 2(0.75,0)
  body extent -0.87,-0.47 0.88,0.48, height 0.65
MOLEX_53748-0308 [mm] "0.50mm Pitch SlimStack Dual Row 30 Circuits Surface Mount Vertical Plug (3.00mm Stacking Heights)"
  rect 0.25x1.2 smd: 1(-3.5,1.7) 2(-3.5,-1.7) 3(-3,1.7) 4(-3,-1.7) 5(-2.5,1.7) 6(-2.5,-1.7) 7(-2,1.7) 8(-2,-1.7) 9(-1.5,1.7) 10(-1.5,-1.7) 11(-1,1.7) 12(-1,-1.7) 13(-0.5,1.7) 14(-0.5,-1.7) 15(0,1.7) 16(0,-1.7) 17(0.5,1.7) 18(0.5,-1.7) 19(1,1.7) 20(1,-1.7) 21(1.5,1.7) 22(1.5,-1.7) 23(2,1.7) 24(2,-1.7) 25(2.5,1.7) 26(2.5,-1.7) 27(3,1.7) 28(3,-1.7) 29(3.5,1.7) 30(3.5,-1.7)
  silkscreen extent -5.77,-2.15 5.65,2.41, body extent -5.65,-2.15 5.65,2.15, height 2.42
"MSOP8 TI/AD" [mm] "JEDEC MO-187AA Body Width 3 mm; Pitch 0.65 mm"
  rect 0.35x1.2 smd mask+0.15: 1(-0.975,-2.23) 2(-0.325,-2.23) 3(0.325,-2.23) 4(0.975,-2.23) 5(0.975,2.23) 6(0.325,2.23) 7(-0.325,2.23) 8(-0.975,2.23)
  silkscreen extent -1.85,-2.2 1.4,1.4, body extent -1.58,-2.15 1.57,2.15, height 1.1
MTG300_600#1 [mm] "Plated Through Hole: Hole Dia.=3.0mm Pad Dia.=6.0mm"
  oval 4.4x4 / inner round 3 / far side oval 4.4x4 hole 2.7: 1(0,0)
MTG300_600#2 [mm] "Plated Through Hole: Hole Dia.=3.0mm Pad Dia.=6.0mm"
  oval 5.8x5.4 / inner round 3 / far side oval 5.8x5.4 hole 2.7: 1(0,0)
OSCSC254P500X700X190-6N [mm] "Oscillator, side concave; 2.54mm pitch; 6 pin, 5.00mm L X 7.00mm W X 1.90mm H, IPC Medium Density"
  rect 1.8x1.55 smd: 1(-2.15,2.54) 2(-2.15,0) 3(-2.15,-2.54) 4(2.15,-2.54) 5(2.15,0) 6(2.15,2.54)
  silkscreen extent -3.02,-3.5 0.9,4.33, body extent -2.5,-3.5 2.5,3.5, height 2
QFN40P180X260X55-16N [mm] "QFN, 0.40mm Pitch, Rect.; 16 Pin, 2.60mm L X 1.80mm W X 0.55mm H Body, IPC Medium Density"
  oval 0.9x0.2 smd: 1(-0.85,0.6)
  oval 0.8x0.2 smd: 2(-0.9,0.2) 3(-0.9,-0.2) 4(-0.9,-0.6) 9(0.9,-0.6) 10(0.9,-0.2) 11(0.9,0.2) 12(0.9,0.6)
  oval 0.2x0.8 smd: 5(-0.6,-1.3) 6(-0.2,-1.3) 7(0.2,-1.3) 8(0.6,-1.3) 13(0.6,1.3) 14(0.2,1.3) 15(-0.2,1.3) 16(-0.6,1.3)
  silkscreen extent -2.02,0.47 -1.78,0.72, body extent -0.9,-1.3 0.9,1.3, height 0.55
QFN50P300X300X90-17N-S175 [mm] "QFN, 0.50mm Pitch, Square; 4 pin X 4 pin, 3mm X 3mm X 0.9mm H body (w/thermal tab 1.75 X 1.75mm),  IPC Medium Density"
  oval 0.8x0.3 smd: 1(-1.5,0.75) 2(-1.5,0.25) 3(-1.5,-0.25) 4(-1.5,-0.75) 9(1.5,-0.75) 10(1.5,-0.25) 11(1.5,0.25) 12(1.5,0.75)
  oval 0.3x0.8 smd: 5(-0.75,-1.5) 6(-0.25,-1.5) 7(0.25,-1.5) 8(0.75,-1.5) 13(0.75,1.5) 14(0.25,1.5) 15(-0.25,1.5) 16(-0.75,1.5)
  rect 1.75x1.75 smd: 17(0,0)
  silkscreen extent -2.62,-1.5 1.5,1.5, body extent -1.57,-1.57 1.58,1.58, height 0.9
QFN50P400X400X100-25N-S280 [mm] "QFN, 0.50mm Pitch, Square; 24 Pin, 4.00mm L X 4.00mm W X 1.00mm H body(w/thermal tab 2.8 X 2.8mm), IPC Medium Density"
  oval 0.8x0.3 smd: 1(-2,1.25) 2(-2,0.75) 3(-2,0.25) 4(-2,-0.25) 5(-2,-0.75) 6(-2,-1.25) 13(2,-1.25) 14(2,-0.75) 15(2,-0.25) 16(2,0.25) 17(2,0.75) 18(2,1.25)
  oval 0.3x0.8 smd: 7(-1.25,-2) 8(-0.75,-2) 9(-0.25,-2) 10(0.25,-2) 11(0.75,-2) 12(1.25,-2) 19(1.25,2) 20(0.75,2) 21(0.25,2) 22(-0.25,2) 23(-0.75,2) 24(-1.25,2)
  rect 2.8x2.8 smd: 25(0,0)
  silkscreen extent -3.12,-2 2,2, body extent -2,-2 2,2, height 1
QFN50P900X900X100-65N-S615 [mm] "QFN,0.50mm pitch,square;64 pin,9.00mm L X 9.00mm W X 1.00mm H body (6.15mm X 6.15mm thermal tab), IPC Medium Density"
  oval 0.85x0.3 smd: 1(-4.45,3.75) 2(-4.45,3.25) 3(-4.45,2.75) 4(-4.45,2.25) 5(-4.45,1.75) 6(-4.45,1.25) 7(-4.45,0.75) 8(-4.45,0.25) 9(-4.45,-0.25) 10(-4.45,-0.75) 11(-4.45,-1.25) 12(-4.45,-1.75) 13(-4.45,-2.25) 14(-4.45,-2.75) 15(-4.45,-3.25) 16(-4.45,-3.75) 33(4.45,-3.75) 34(4.45,-3.25) 35(4.45,-2.75) 36(4.45,-2.25) 37(4.45,-1.75) 38(4.45,-1.25) 39(4.45,-0.75) 40(4.45,-0.25) 41(4.45,0.25) 42(4.45,0.75) 43(4.45,1.25) 44(4.45,1.75) 45(4.45,2.25) 46(4.45,2.75) 47(4.45,3.25) 48(4.45,3.75)
  oval 0.3x0.85 smd: 17(-3.75,-4.45) 18(-3.25,-4.45) 19(-2.75,-4.45) 20(-2.25,-4.45) 21(-1.75,-4.45) 22(-1.25,-4.45) 23(-0.75,-4.45) 24(-0.25,-4.45) 25(0.25,-4.45) 26(0.75,-4.45) 27(1.25,-4.45) 28(1.75,-4.45) 29(2.25,-4.45) 30(2.75,-4.45) 31(3.25,-4.45) 32(3.75,-4.45) 49(3.75,4.45) 50(3.25,4.45) 51(2.75,4.45) 52(2.25,4.45) 53(1.75,4.45) 54(1.25,4.45) 55(0.75,4.45) 56(0.25,4.45) 57(-0.25,4.45) 58(-0.75,4.45) 59(-1.25,4.45) 60(-1.75,4.45) 61(-2.25,4.45) 62(-2.75,4.45) 63(-3.25,4.45) 64(-3.75,4.45)
  rect 6.15x6.15 smd: 65(0,0)
  silkscreen extent -5.58,-4.5 4.5,4.5, body extent -4.5,-4.5 4.5,4.5, height 1
QFN50P900X900X100-65N-S735 [mm] "QFN, 0.50mm Pitch, Square; 64 Pin, 9.00mm L X 9.00mm W X 1.00mm H Body (7.35 X 7.35mm Thermal Tab), IPC Medium Density"
  oval 0.9x0.3 smd: 1(-4.45,3.75) 2(-4.45,3.25) 3(-4.45,2.75) 4(-4.45,2.25) 5(-4.45,1.75) 6(-4.45,1.25) 7(-4.45,0.75) 8(-4.45,0.25) 9(-4.45,-0.25) 10(-4.45,-0.75) 11(-4.45,-1.25) 12(-4.45,-1.75) 13(-4.45,-2.25) 14(-4.45,-2.75) 15(-4.45,-3.25) 16(-4.45,-3.75) 33(4.45,-3.75) 34(4.45,-3.25) 35(4.45,-2.75) 36(4.45,-2.25) 37(4.45,-1.75) 38(4.45,-1.25) 39(4.45,-0.75) 40(4.45,-0.25) 41(4.45,0.25) 42(4.45,0.75) 43(4.45,1.25) 44(4.45,1.75) 45(4.45,2.25) 46(4.45,2.75) 47(4.45,3.25) 48(4.45,3.75)
  oval 0.3x0.9 smd: 17(-3.75,-4.45) 18(-3.25,-4.45) 19(-2.75,-4.45) 20(-2.25,-4.45) 21(-1.75,-4.45) 22(-1.25,-4.45) 23(-0.75,-4.45) 24(-0.25,-4.45) 25(0.25,-4.45) 26(0.75,-4.45) 27(1.25,-4.45) 28(1.75,-4.45) 29(2.25,-4.45) 30(2.75,-4.45) 31(3.25,-4.45) 32(3.75,-4.45) 49(3.75,4.45) 50(3.25,4.45) 51(2.75,4.45) 52(2.25,4.45) 53(1.75,4.45) 54(1.25,4.45) 55(0.75,4.45) 56(0.25,4.45) 57(-0.25,4.45) 58(-0.75,4.45) 59(-1.25,4.45) 60(-1.75,4.45) 61(-2.25,4.45) 62(-2.75,4.45) 63(-3.25,4.45) 64(-3.75,4.45)
  rect 7.35x7.35 smd: 65(0,0)
  silkscreen extent -5.62,-4.5 4.5,4.5, body extent -4.5,-4.5 4.5,4.5, height 1
QFN50P1000X1000X100-73N-S545 [mm] "QFN,0.50mm Pitch, Square;72 Pin,10.00mm L X 10.00mm W X 1.00mm H Body (W/Thermal Tab 5.45mm X 5.45mm), IPC Medium Density"
  oval 0.85x0.3 smd: 1(-4.95,4.25) 2(-4.95,3.75) 3(-4.95,3.25) 4(-4.95,2.75) 5(-4.95,2.25) 6(-4.95,1.75) 7(-4.95,1.25) 8(-4.95,0.75) 9(-4.95,0.25) 10(-4.95,-0.25) 11(-4.95,-0.75) 12(-4.95,-1.25) 13(-4.95,-1.75) 14(-4.95,-2.25) 15(-4.95,-2.75) 16(-4.95,-3.25) 17(-4.95,-3.75) 18(-4.95,-4.25) 37(4.95,-4.25) 38(4.95,-3.75) 39(4.95,-3.25) 40(4.95,-2.75) 41(4.95,-2.25) 42(4.95,-1.75) 43(4.95,-1.25) 44(4.95,-0.75) 45(4.95,-0.25) 46(4.95,0.25) 47(4.95,0.75) 48(4.95,1.25) 49(4.95,1.75) 50(4.95,2.25) 51(4.95,2.75) 52(4.95,3.25) 53(4.95,3.75) 54(4.95,4.25)
  oval 0.3x0.85 smd: 19(-4.25,-4.95) 20(-3.75,-4.95) 21(-3.25,-4.95) 22(-2.75,-4.95) 23(-2.25,-4.95) 24(-1.75,-4.95) 25(-1.25,-4.95) 26(-0.75,-4.95) 27(-0.25,-4.95) 28(0.25,-4.95) 29(0.75,-4.95) 30(1.25,-4.95) 31(1.75,-4.95) 32(2.25,-4.95) 33(2.75,-4.95) 34(3.25,-4.95) 35(3.75,-4.95) 36(4.25,-4.95) 55(4.25,4.95) 56(3.75,4.95) 57(3.25,4.95) 58(2.75,4.95) 59(2.25,4.95) 60(1.75,4.95) 61(1.25,4.95) 62(0.75,4.95) 63(0.25,4.95) 64(-0.25,4.95) 65(-0.75,4.95) 66(-1.25,4.95) 67(-1.75,4.95) 68(-2.25,4.95) 69(-2.75,4.95) 70(-3.25,4.95) 71(-3.75,4.95) 72(-4.25,4.95)
  rect 5.45x5.45 smd: 73(0,0)
  silkscreen extent -6.07,-5 5,5, body extent -5,-5 5,5, height 1
RESC0603X28N [mm] "Chip Resistor, EIA 0201, Metric 0603, Body 0.6 x 0.3mm, IPC Medium Density"
  rect 0.46x0.42 smd: 1(-0.33,0) 2(0.33,0)
  body extent -0.32,-0.17 0.33,0.18, height 0.28
RESC1005X40N#1 [mm] "Chip Resistor, EIA 0402, Metric 1005, Body 1.0x0.5mm, IPC Medium Density"
  rect 0.58x0.62 smd: 1(-0.47,0) 2(0.47,0)
  body extent -0.52,-0.27 0.53,0.28, height 0.4
RESC1005X40N#2 [mm] "Chip Resistor, EIA 0402, Metric 1005, Body 1.0x0.5mm, IPC Medium Density"
  rect 0.6x0.6 smd: 1(-0.45,0) 2(0.45,0)
  body extent -0.52,-0.27 0.53,0.28, height 0.4
RESC1608X55N [mm] "Chip Resistor, EIA 0603, Metric 1608, Body 1.6x0.8mm, IPC Medium Density"
  rect 0.9x1 smd: 1(-0.8,0) 2(0.8,0)
  silkscreen extent 0,-0.5 0,0.5, body extent -0.87,-0.47 0.88,0.48, height 0.55
RESC3225X70N [mm] "Chip Resistor, EIA 1210, Metric 3225, Body 3.2x2.5mm, IPC Medium Density"
  rect 1.15x2.7 smd: 1(-1.5,0) 2(1.5,0)
  silkscreen extent -0.55,-1.25 0.55,1.25, body extent -1.7,-1.35 1.7,1.35, height 0.7